# Altium PCB First_Motherboard.PcbDoc
Units mil, origin at the board's own origin, x right, y up, seen from the top; angles counter-clockwise.
Board outline 6000 x 4550 mil, 4 copper layers (Top Layer 1, Ground, Power, Bottom Layer 1), stack 23.756 mil thick; 76 components, 80 nets, 392 pads, 69 vias.
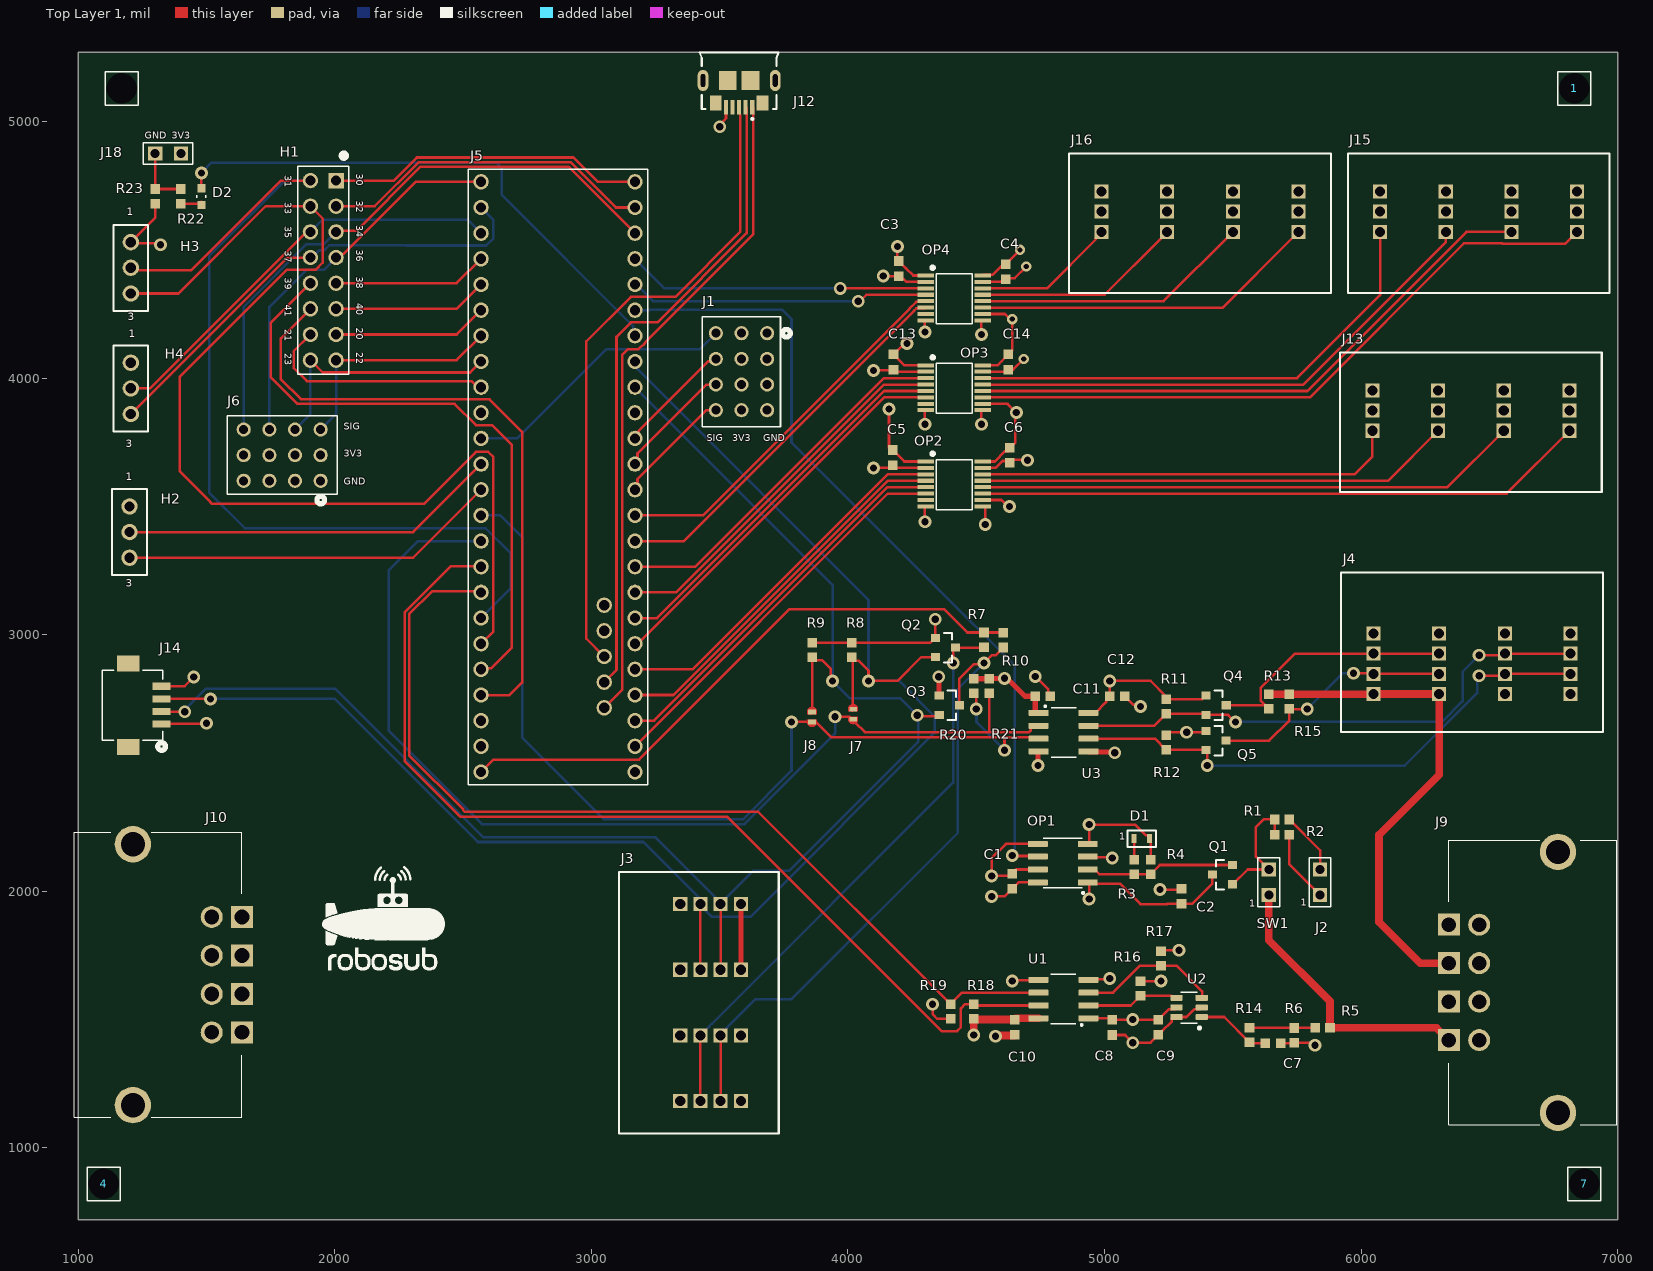
[diagram p0: Top Layer 1 view]
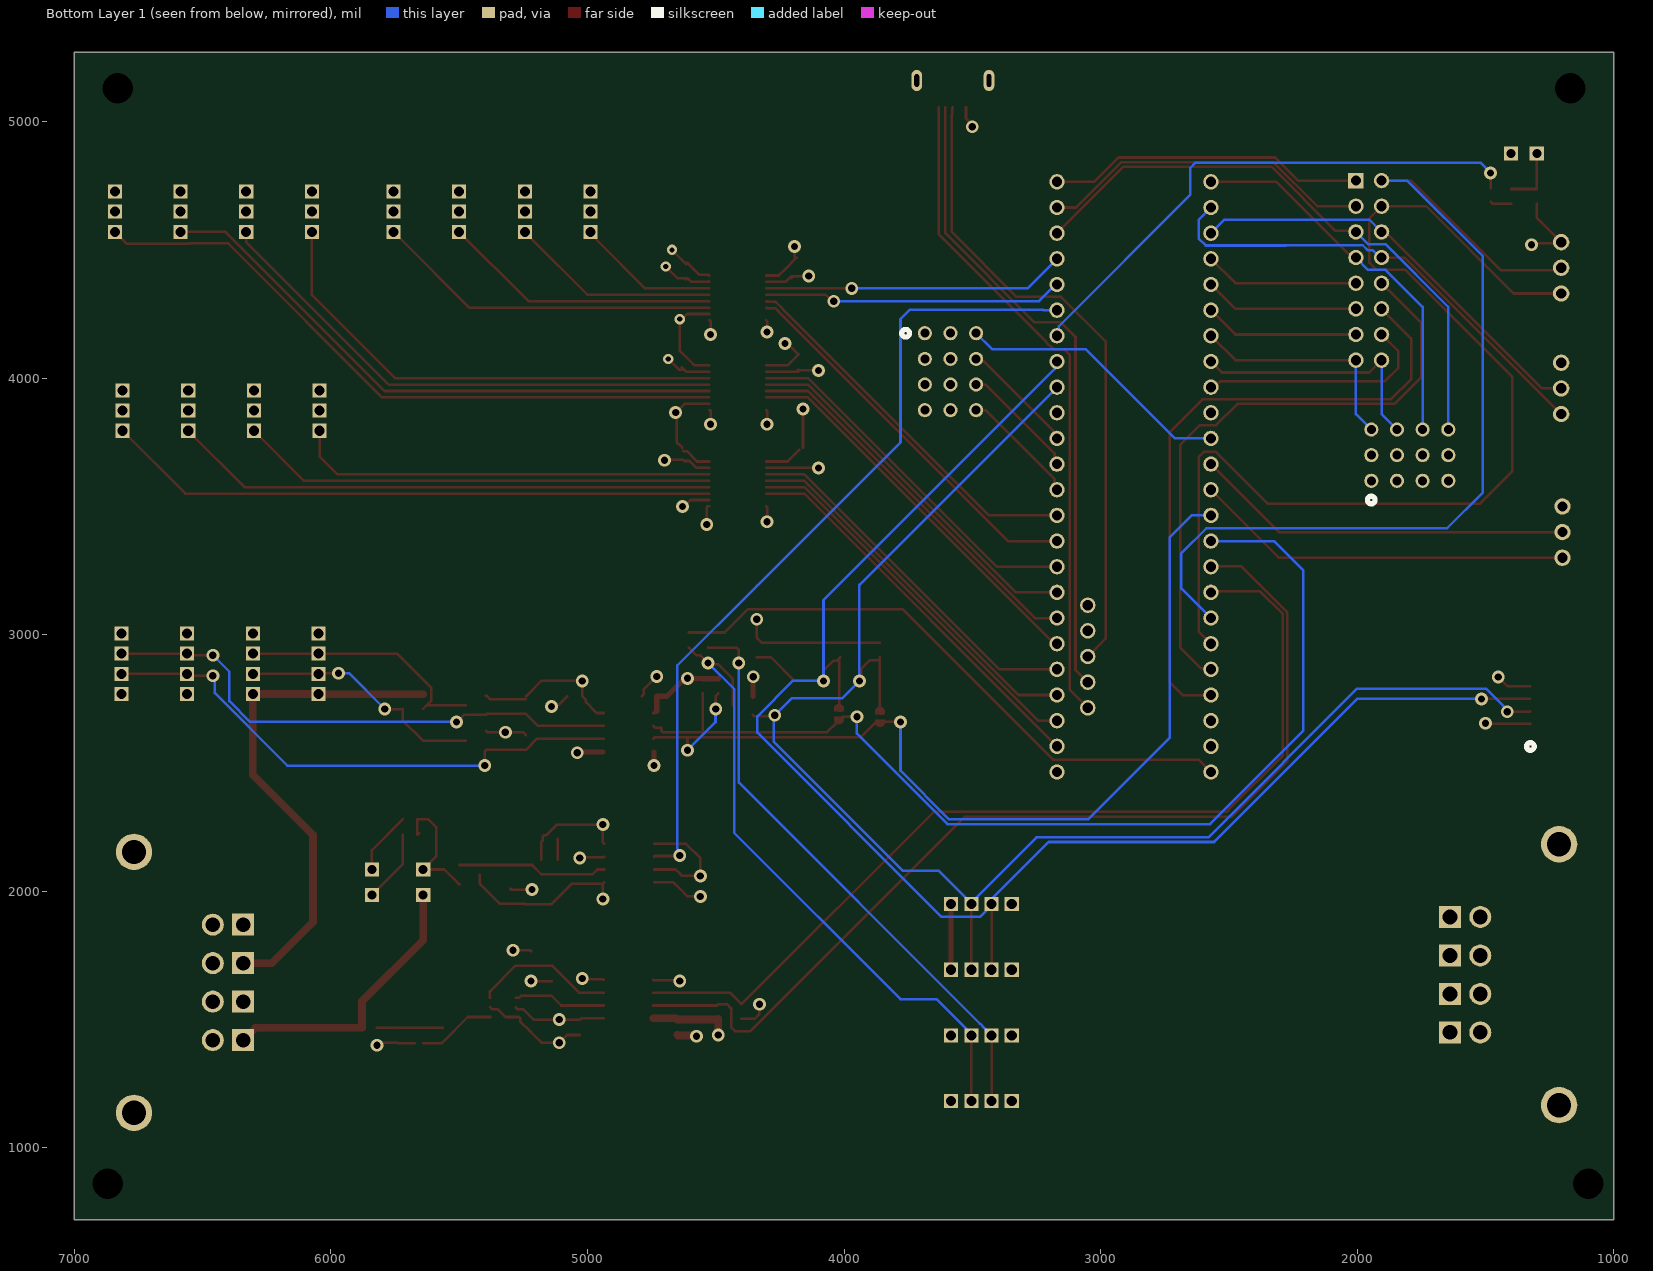
[diagram p1: Bottom Layer 1 view, seen from below]
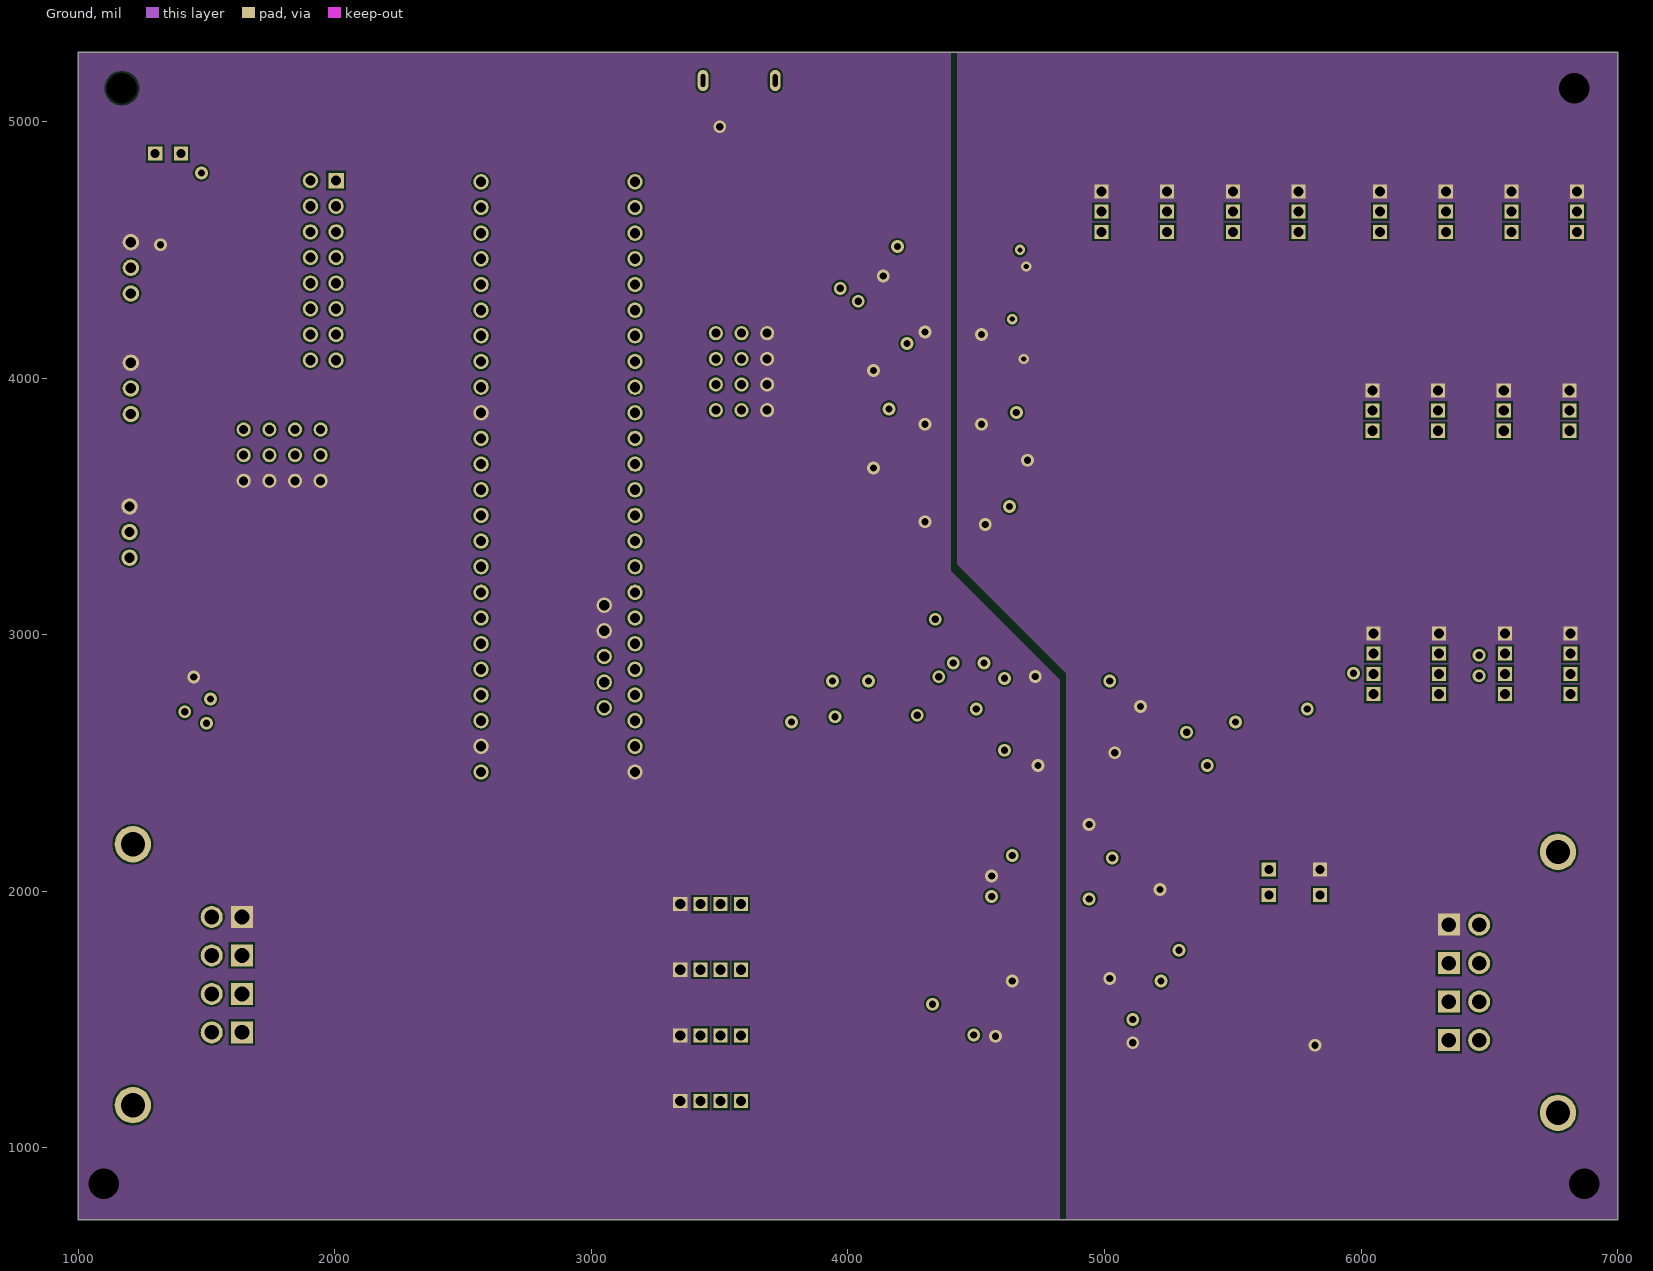
[diagram p2: Ground]
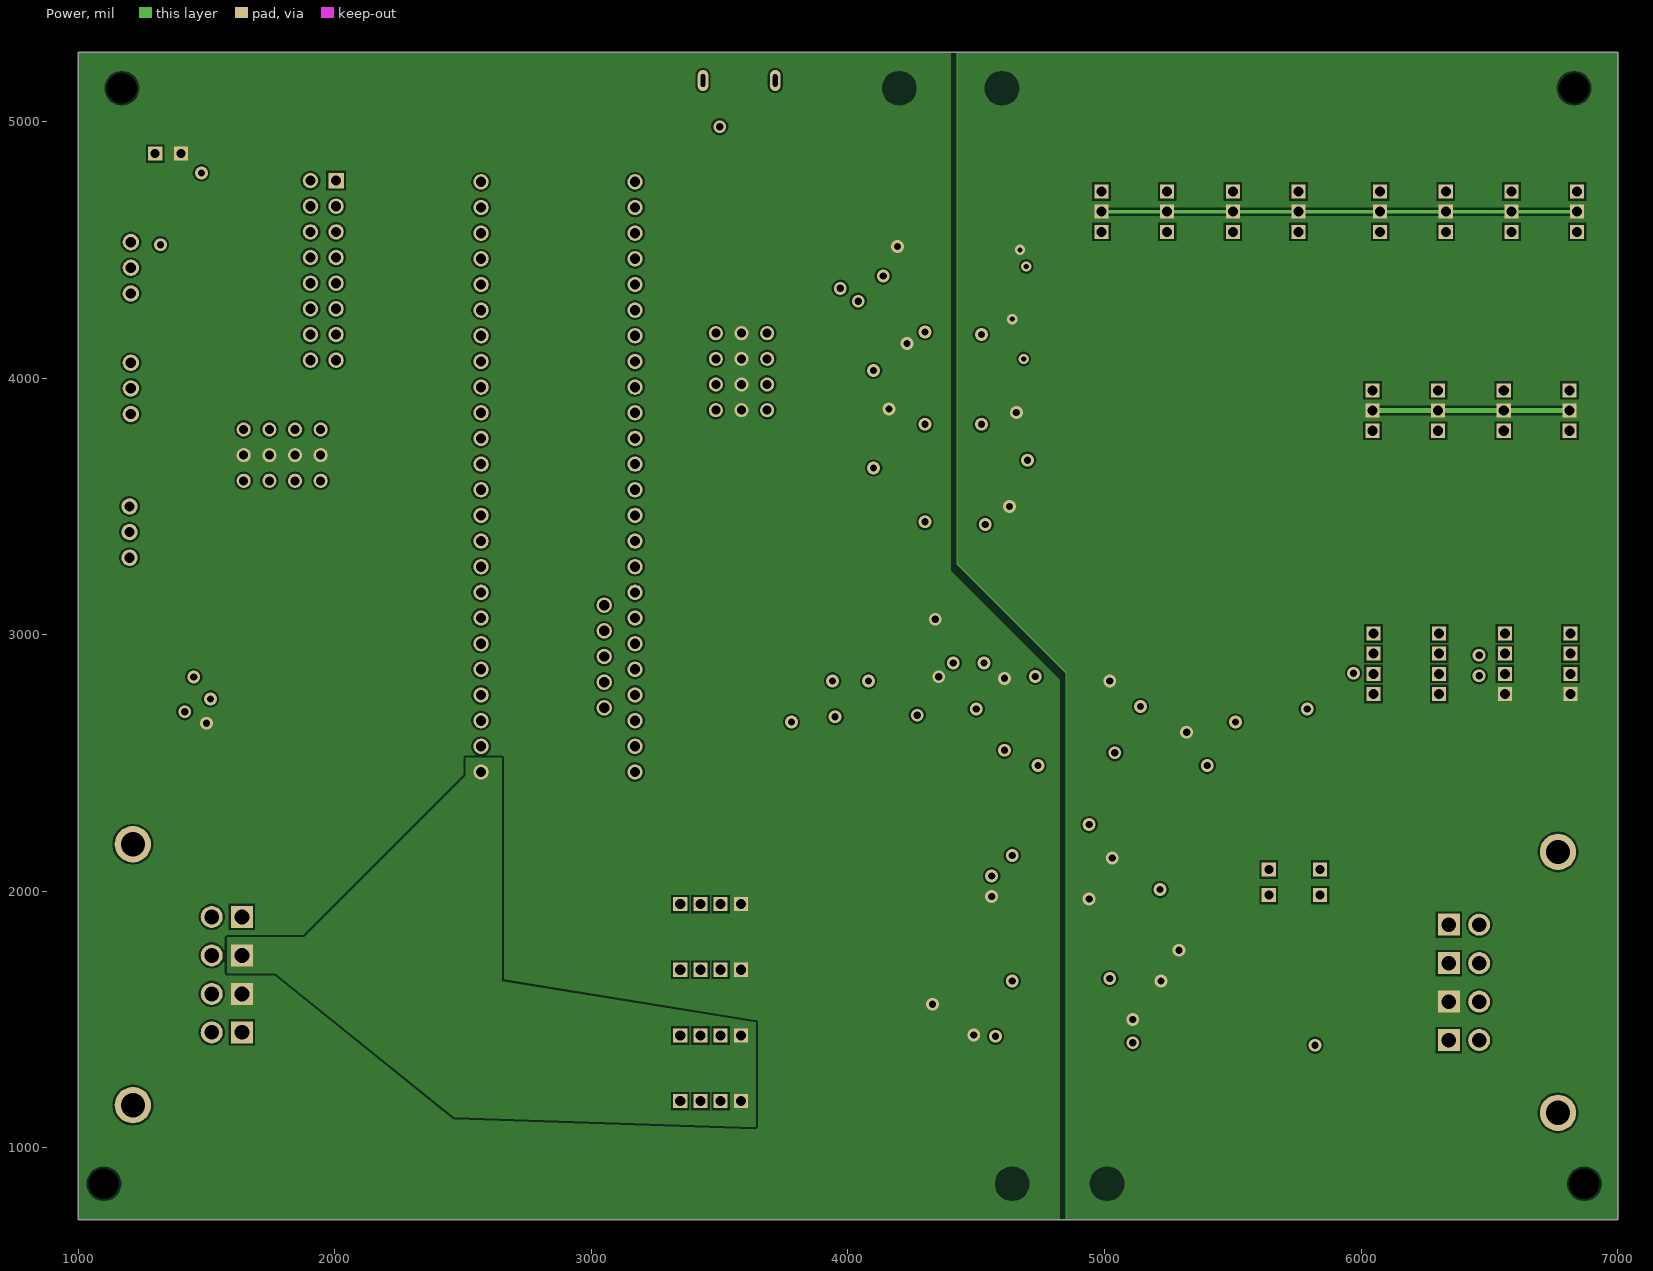
[diagram p3: Power]

## Layer stack, top to bottom
Top Solder: solder mask 0.4, Solder Resist, Dk 3.5
Top Layer 1: signal copper 1.378
Dielectric 2: prepreg 2.8, PP-006, Dk 4.1
Ground: signal copper 1.4
Dielectric 1: dielectric 12.6, FR-4, Dk 4.8
Power: signal copper 1.4
Dielectric 3: prepreg 2.8, PP-006, Dk 4.1
Bottom Layer 1: signal copper 1.378
Bottom Solder: solder mask 0.4, Solder Resist, Dk 3.5

## Board outline
1000,720 7000,720 7000,5270 1000,5270

## Design rules (kind name [scope] priority, off if disabled: settings)
Clearance [All] p1: gap=7.87 ignorepadtopadclearanceinfootprint=FALSE except(5: SMDPad-SMDPad; 10: Arc-Via Track-Via Via-Via; 12.99: Arc-THPad Track-THPad)
HoleSize [All] p1: absolutevalues=TRUE maxlimit=248.03 minlimit=7.87 maxpercent=80.000 minpercent=20.000
MinimumSolderMaskSliver [All] p1: minsoldermaskwidth=1.97
PolygonConnect [All] p1: connectstyle=Direct reliefconductorwidth=10 reliefentries=4 polygonreliefangle="90 Angle" airgapwidth=10
RoutingVias [All] p1: holewidth=28 width=50 viastyle="Through Hole" minholewidth=7.87 minwidth=50 maxholewidth=248.03 maxwidth=15.75
SilkToSolderMaskClearance [IsPad] p1: minsilkscreentomaskgap=5.91 clearancetoexposedcopper=TRUE
SolderMaskExpansion [All] p1: expansion=4 istentingtop=FALSE
Width [All] p1: maxlimit=30 minlimit=5 preferedwidth=10 minimp=50.000000 maximp=50.000000 favimp=50.000000
27 further rules are at their usual default settings.

## Classes and differential pairs
net class PWMO[1..12]: PWMO1 PWMO2 PWMO3 PWMO4 PWMO5 PWMO6 PWMO7 PWMO8 PWMO9 PWMO10 PWMO11 PWMO12
component class ThrusterBatteryMonitor: C7 C8 C9 C10 R5 R6 R14 R16 R17 R18 R19 U1 U2
component class Teensy: H1 H3 H4 J5 J6 J9 J10 J12
component class PWM_Isolator: C3 C4 C5 C6 C13 C14 OP2 OP3 OP4
component class LevelShifter: C11 C12 J7 J8 Q2 Q3 Q4 Q5 R7 R8 R9 R10 R11 R12 R13 R15 R20 R21 U3
component class Kill_Switch: C1 C2 D1 J2 OP1 Q1 R1 R2 R3 R4 SW1
component class HeaderPins: D2 H2 J1 J3 J4 J13 J14 J15 J16 J18 R22 R23

## Components (designator, comment, footprint, x,y, rotation, side; value= is the part's Value field where it differs from the comment)
1 "Comment" 3MMHOLE 6830,5130 r0 top
4 "Comment" 3MMHOLE 1100,860 r0 top
7 "Comment" 3MMHOLE 6870,860 r0 top
C1 "0.1uF" CAPC1608X97X38NL12T08 4640,2039.53 r90 top
C2 "0.1uF" CAPC1608X97X38NL12T08 5300,1980.47 r90 top
C3 "0.1uF" CAPC1608X97X38NL12T08 4197.4,4427.13 r90 top
C4 "0.1uF" CAPC1608X97X38NL12T08 4615,4414.53 r270 top
C5 "0.1uF" CAPC1608X97X38NL12T08 4175,3690.47 r90 top
C6 "0.1uF" CAPC1608X97X38NL12T08 4630,3699.53 r270 top
C7 "0.1uF" CAPC1608X97X38NL12T08 5656.54,1408.54 r180 top
C8 "0.1uF" CAPC1608X97X38NL12T08 5030,1469.53 r90 top
C9 "0.1uF" CAPC1608X97X38NL12T08 5210,1470.47 r270 top
C10 "0.1uF" CAPC1608X97X38NL12T08 4650,1470.47 r90 top
C11 "0.1uF" CAPC1608X97X38NL12T08 4759.53,2760 r180 top
C12 "0.1uF" CAPC1608X97X38NL12T08 5049.53,2760 r0 top
C13 "0.1uF" CAPC1608X97X38NL12T08 4177.4,4062.99 r90 top
C14 "0.1uF" CAPC1608X97X38NL12T08 4623.97,4062.99 r270 top
D1 "VLMB1300-GS08" "0603 - DIODE" 5145,2205 r0 top
D2 "Green" LED-D12 1480,4707.52 r270 top
H1 "16PinHeader" 67996-416HLF_AMP 2005,4770 r90 top
H2 "DVL_3PinHeader" SAMTEC-TSW-103-07-X-S 1200,3400 r270 top
H3 "3PinHeader" SAMTEC-TSW-103-07-X-S 1205,4430 r270 top
H4 "3PinHeader" SAMTEC-TSW-103-07-X-S 1205,3960 r270 top
J1 "ESCPWMHeader" CON12_3X4_TU_TSW_SAI 3585,4025 r90 top
J2 "Relay" 2PINHEADER 5840,2035 r180 top
J3 "i2c-2x2" 37216-62M3-004PL 3108.07,2075.98 r270 top
J4 "i2c-2x2" 37216-62M3-004PL 6941.89,3243.19 r180 top
J5 "Teensy 4.1" Teensy4.1 2520,2415 r90 top
J6 "ESCPWMHeader" CON12_3X4_TU_TSW_SAI 1795,3700 r0 top
J7 "Solder Jumper" SOLDERJUMPER#1 4020,2690 r180 top
J8 "Solder Jumper" SOLDERJUMPER#2 3860,2679 r180 top
J9 "FX30B-4S-3.81DS" FX30B4S381DS 6341.89,1870 r90 top
J10 "FX30B-4S-3.81DS" FX30B4S381DS 1638.11,1450 r270 top
J12 "USB3075-30-A" GCT_USB3075-30-A 3626.89,5055.67 r180 top
J13 "ESCPWMHeader" 37212-62M3-003PL 5918.11,3556.81 r0 top
J14 "4-pin I2C Connector" CON4_1X4_U_DF13 1325,2651.57 r270 top
J15 "ESCPWMHeader" 37212-62M3-003PL 5948.11,4331.81 r0 top
J16 "ESCPWMHeader" 37212-62M3-003PL 4862.2,4331.81 r0 top
J18 "Switch" 2PINHEADER 1350,4875 r90 top
OP1 "ISO7310" "ISO7310CDR - 8 SOIC" 4837.24,2110 r180 top
OP2 "ISO7740" DBQ0016A_M 4413.78,3587.5 r0 top
OP3 "ISO7740" DBQ0016A_M 4413.78,3962.5 r0 top
OP4 "ISO7740" DBQ0016A_M 4413.78,4312.5 r0 top
Q1 "MOSFET N-CH" ONSC-SOT-23-3-318-08_V 5459.37,2065 r180 top
Q2 "MOSFET N-CH" ONSC-SOT-23-3-318-08_V 4380,2950 r0 top
Q3 "MOSFET N-CH" ONSC-SOT-23-3-318-08_V 4395,2725 r0 top
Q4 "MOSFET N-CH" ONSC-SOT-23-3-318-08_V 5435,2725 r0 top
Q5 "MOSFET N-CH" ONSC-SOT-23-3-318-08_V 5434.37,2587.4 r0 top
R1 "180" RESC1609X55X30NL10T20 5691.46,2220 r0 top
R2 "1K" RESC1609X55X30NL10T20 5691.46,2280 r180 top
R3 "180" RESC1609X55X30NL10T20 5115,2095 r270 top
R4 "1K" RESC1609X55X30NL10T20 5180,2095 r270 top
R5 "47K" RESC1609X55X30NL10T20 5850,1468.54 r0 top
R6 "10K" RESC1609X55X30NL10T20 5740,1438.54 r90 top
R7 "4.7K" RESC1609X55X30NL10T20 4530,2980 r90 top
R8 "4.7K" RESC1609X55X30NL10T20 4015,2940 r90 top
R9 "4.7K" RESC1609X55X30NL10T20 3860,2940 r90 top
R10 "4.7K" RESC1609X55X30NL10T20 4605,2978.54 r90 top
R11 "4.7K" RESC1609X55X30NL10T20 5240,2720 r90 top
R12 "4.7K" RESC1609X55X30NL10T20 5240,2580 r90 top
R13 "4.7K" RESC1609X55X30NL10T20 5640,2740 r90 top
R14 "1K" RESC1609X55X30NL10T20 5565,1440 r270 top
R15 "4.7K" RESC1609X55X30NL10T20 5720,2740 r90 top
R16 "1K" RESC1609X55X30NL10T20 5140,1621.46 r90 top
R17 "1K" RESC1609X55X30NL10T20 5220,1738.54 r90 top
R18 "1K" RESC1609X55X30NL10T20 4490,1531.46 r270 top
R19 "1K" RESC1609X55X30NL10T20 4400,1531.46 r270 top
R20 "4.7K" RESC1609X55X30NL10T20 4490,2800 r90 top
R21 "4.7K" RESC1609X55X30NL10T20 4550,2800 r90 top
R22 "180" RESC1609X55X30NL10T20 1400,4708.54 r90 top
R23 "1K" RESC1609X55X30NL10T20 1300,4708.54 r90 top
SW1 "SwitchHeader" 2PINHEADER 5640,2035 r180 top
U1 "ISO1541D" ISO1541D 4840,1580 r180 top
U2 "ADC" SOT95P280X145-6N 5329.41,1547.4 r180 top
U3 "ISO1541D" ISO1541D 4840,2620 r0 top
? "Comment" 3MMHOLE 1170,5130 r0 top

## Footprints (in the part's own frame and the unit in brackets; to place one, negate y for a bottom-side part, rotate by r counter-clockwise, add the part's x,y. Pads: shape width x height; smd on the part's side, far side on the other; paste and mask are expansions set on the pad)
2PINHEADER [mm]
  rect 1.398x1.398 hole 0.89: 1(0,1.27) 2(0,-1.27)
  silkscreen extent -1.07,-2.44 1.07,2.44, body extent -1.27,-2.54 1.27,2.54, height 8.55
3MMHOLE [mm]
  round 1 hole 3: 7(0,0)
  silkscreen extent -1.63,-1.68 1.63,1.63
"0603 - DIODE" [mm]
  rect 0.5x0.9 smd: 1(-0.75,0) 2(0.75,0)
  silkscreen extent -1.4,-0.8 1.4,0.8, body extent -0.8,-0.4 0.8,0.4, height 0.26
37212-62M3-003PL [mm]
  rect 1.398x1.398 hole 1: 1(3.2,10.05) 2(3.2,8.05) 3(3.2,6.05) 4(9.7,10.05) 5(9.7,8.05) 6(9.7,6.05) 7(16.2,10.05) 8(16.2,8.05) 9(16.2,6.05) 10(22.7,10.05) 11(22.7,8.05) 12(22.7,6.05)
  silkscreen extent 0,0 25.9,13.8, body extent -0.02,-0.1 25.88,13.7, height 13.01
37216-62M3-004PL [mm]
  rect 1.398x1.398 hole 1: 1(3.2,12.05) 2(3.2,10.05) 3(3.2,8.05) 4(3.2,6.05) 5(9.7,12.05) 6(9.7,10.05) 7(9.7,8.05) 8(9.7,6.05) 9(16.2,12.05) 10(16.2,10.05) 11(16.2,8.05) 12(16.2,6.05) 13(22.7,12.05) 14(22.7,10.05) 15(22.7,8.05) 16(22.7,6.05)
  silkscreen extent 0,0 25.9,15.8, body extent 0,-0.05 25.9,15.75, height 13.01
67996-416HLF_AMP [mil]
  rect 60x60 hole 38 mask+0: 1(0,0)
  round 60 hole 40 mask+0: 2(0,100) 3(-100,0) 4(-100,100) 5(-200,0) 6(-200,100) 7(-300,0) 8(-300,100) 9(-400,0) 10(-400,100) 11(-500,0) 12(-500,100) 13(-600,0) 14(-600,100) 15(-700,0) 16(-700,100)
  silkscreen extent -755,-50 107,150, body extent 0,0 10,10, height 10
CAPC1608X97X38NL12T08 [mm]
  rect 0.95x0.95 smd: 1(-0.75,0) 2(0.75,0)
  body extent -0.86,-0.46 0.86,0.46, height 0.97
CON4_1X4_U_DF13 [mil] "AKA DF13C-4P-1.25V(75)"
  rect 28x70 smd: 1(0,0) 2(-49.21,0) 3(-98.43,0) 4(-147.64,0)
  rect 63x87 smd: 5(-236.32,-130) 6(88.68,-130)
  silkscreen extent -210,-231 102,15, body extent -262,-197 118,-4, height 189
CON12_3X4_TU_TSW_SAI [mil]
  round 55 hole 35 mask+0: 1(150,-100) 2(150,0) 3(150,100) 4(50,-100) 5(50,0) 6(50,100) 7(-50,-100) 8(-50,0) 9(-50,100) 10(-150,-100) 11(-150,0) 12(-150,100)
  silkscreen extent -215,-190 215,153, body extent 0,0 10,10, height 10
DBQ0016A_M [mm]
  rect 1.65x0.4 smd paste+0 mask+0: 1(-2.825,2.222) 2(-2.825,1.587) 3(-2.825,0.953) 4(-2.825,0.318) 5(-2.825,-0.318) 6(-2.825,-0.953) 7(-2.825,-1.587) 8(-2.825,-2.222) 9(2.825,-2.222) 10(2.825,-1.587) 11(2.825,-0.953) 12(2.825,-0.318) 13(2.825,0.318) 14(2.825,0.953) 15(2.825,1.587) 16(2.825,2.222)
  silkscreen extent -2.26,-2.54 1.78,3.13, body extent -3.01,-2.45 3.01,2.45, height 1.46
FX30B4S381DS [mm]
  rect 2.175x2.175 hole 1.45: A1(0,0) B1(-3.81,0) C1(-7.62,0) D1(-11.43,0)
  round 2.175 hole 1.45: A2(0,-3) B2(-3.81,-3) C2(-7.62,-3) D2(-11.43,-3)
  round 3.6 hole 2.4: MH1(7.2,-10.8) MH2(-18.63,-10.8)
  silkscreen extent -19.8,-16.6 8.37,0, body extent -19.8,-16 8.38,0.6, height 11.11
GCT_USB3075-30-A [mm]
  rect 0.4x1.4 smd mask+0.076: 1(0,0) 2(0.65,0) 3(1.3,0) 4(1.95,0) 5(2.6,0)
  rect 1.15x1.45 smd: S1(-1.02,-0.42) S2(3.62,-0.42)
  rect 1.75x1.9 smd: S3(0.175,-2.65) S4(2.425,-2.65)
  oval 1.05x2.1 hole 0.45 slot 1.25 at 90 deg: S5(-2.275,-2.65) S6(4.875,-2.65)
  silkscreen extent -2.6,-5.4 5.2,1.25, body extent -2.78,-5.27 5.32,0.54, height 2.78
ISO1541D [mm]
  rrect25% 1.97x0.6 smd: 1(-2.47,1.905) 2(-2.47,0.635) 3(-2.47,-0.635) 4(-2.47,-1.905) 5(2.47,-1.905) 6(2.47,-0.635) 7(2.47,0.635) 8(2.47,1.905)
  silkscreen extent -1.89,-2.46 1.28,2.66, body extent -3,-2.45 3,2.45, height 1.51
"ISO7310CDR - 8 SOIC" [mm]
  rrect25% 1.97x0.6 smd: 1(-2.47,1.905) 2(-2.47,0.635) 3(-2.47,-0.635) 4(-2.47,-1.905) 5(2.47,-1.905) 6(2.47,-0.635) 7(2.47,0.635) 8(2.47,1.905)
  silkscreen extent -2.11,-2.45 1.95,3.05, body extent -3,-2.45 3,2.45, height 1.51
LED-D12 [mm]
  rect 0.8x0.8 smd: A(0.825,0) C(-0.825,0)
  silkscreen extent -0.11,-0.45 0.11,0.45, body extent -0.8,-0.4 0.8,0.4, height 0.81
ONSC-SOT-23-3-318-08_V [mm]